# Allegro board reComputer Industrial J201_V1.2.brd (continued)
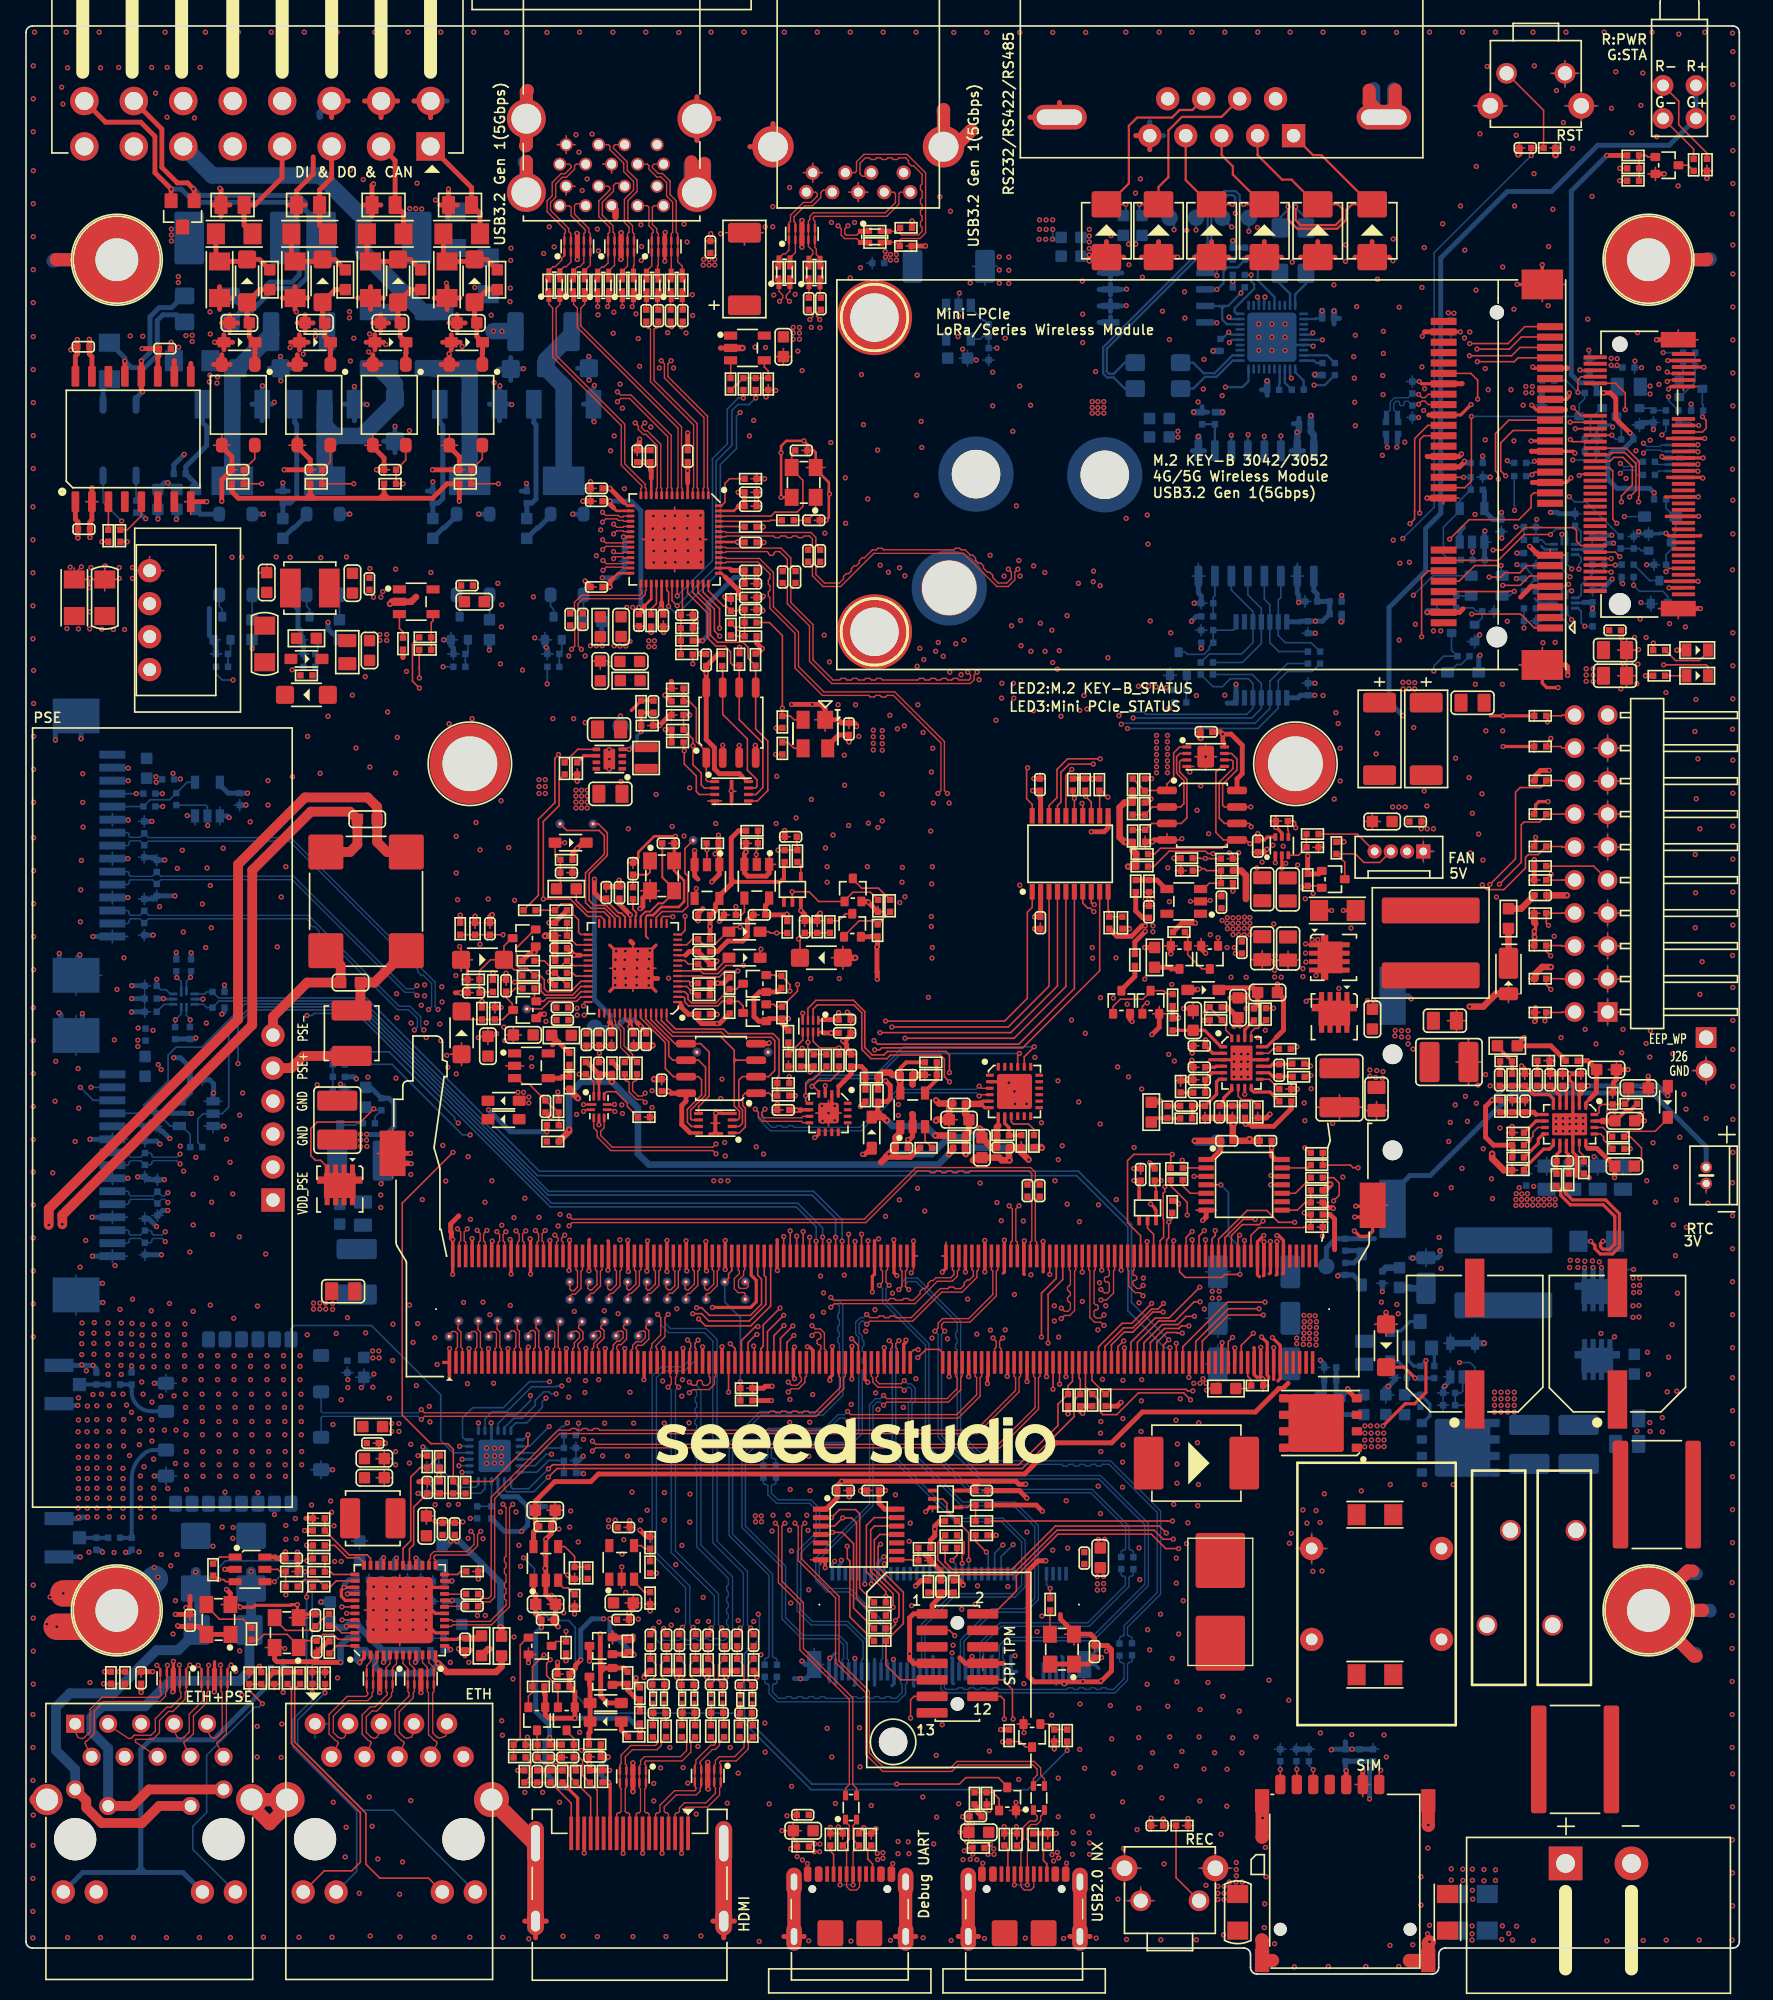
[diagram p0: board, top side]
## Routing (per net, layer and track width the routed paths; a pad name or vN(x,y) marks a point on that pad's centre or on a via; arc(x,y) is an arc through that point) (continued)
  vias: v1(2.06,61.69) v1(2.29,70.28) v1(2.24,67.2) v1(3.41,108.33) v1(3.79,64.1) v1(4.02,69.72) v1(4.07,66.67) v1(4.04,44.37) v1(4.04,42.67) v1(4.02,41.75) v1(4.04,40.63) v1(4.04,39.77) v1(4.04,38.93) v1(4.04,38.15) v1(4.04,37.38) v1(4.04,36.62) v1(4.02,35.89) v1(4.04,35.17) v1(4.19,81.02) v1(4.17,54.43) v1(4.27,85.75) v1(4.22,83.48) v1(4.3,49.32) v1(4.3,48.53) v1(4.3,47.7) v1(4.3,46.91) v1(4.37,92.43) v1(4.37,90.22) v1(4.4,88.31) v1(4.32,50.13) v1(4.6,56.48) v1(4.65,46.45) v1(4.7,41.75) v1(4.73,43.73) v1(4.73,42.67) v1(4.73,40.63) v1(4.73,39.77) v1(4.73,38.93) v1(4.73,38.15) v1(4.73,37.38) v1(4.73,36.62) v1(4.73,35.86) v1(4.86,32.48) v1(5.01,108.3) v1(4.93,107.46) v1(4.93,22.45) v1(5.16,44.62) v1(5.26,50.16) v1(5.24,49.35) v1(5.24,48.56) v1(5.24,47.72) v1(5.46,43.76) v1(5.46,42.69) v1(5.44,41.78) v1(5.46,40.66) v1(5.46,39.8) v1(5.46,38.96) v1(5.46,38.17) v1(5.46,37.41) v1(5.46,36.65) v1(5.46,35.89) v1(5.46,35.2) v1(5.82,44.65) v1(6.1,108.43) v1(6.3,49.32) v1(6.3,48.53) v1(6.3,47.7) v1(6.3,46.86) v1(6.33,50.13) v1(6.33,46.17) v1(6.4,41.78) v1(6.43,43.76) v1(6.43,42.69) v1(6.43,40.66) v1(6.43,39.8) v1(6.43,38.96) v1(6.43,38.17) v1(6.43,37.41) v1(6.43,36.65) v1(6.43,35.89) v1(6.43,35.2) v1(6.81,71.93) v1(6.73,44.65) v1(6.79,32.46) v1(6.86,54.55) v1(7.01,75.81) v1(7.19,108.3) v1(7.19,107.46) v1(7.24,51.18) v1(7.34,50.13) v1(7.32,49.32) v1(7.32,48.53) v1(7.32,47.7) v1(7.32,46.86) v1(7.34,46.17) v1(7.47,44.65) v1(7.5,41.78) v1(7.47,38.93) v1(7.47,38.15) v1(7.47,37.38) v1(7.47,36.62) v1(7.47,35.86) v1(7.47,35.17) v1(7.55,78.25) v1(7.52,42.69) v1(7.52,40.66) v1(7.75,43.81) v1(7.98,39.92) v1(8.21,108.3) v1(8.21,107.46) v1(8.21,51.96) v1(8.17,50.1) v1(8.14,49.29) v1(8.14,48.5) v1(8.14,47.66) v1(8.13,43.25) v1(8.64,72.84) v1(8.72,32.51) v1(8.77,42.77) v1(8.77,41.83) v1(8.74,40.76) v1(8.79,37.41) v1(8.82,38.35) v1(8.82,36.65) v1(8.82,35.89) v1(8.84,35.17) v1(8.97,50.01) v1(8.94,49.19) v1(8.94,48.41) v1(8.94,47.57) v1(8.94,46.73) v1(8.92,45.59) v1(9.02,44.65) v1(9.1,39.06) v1(9.66,51.07) v1(9.71,44.04) v1(9.68,42.69) v1(9.71,41.88) v1(9.71,41.04) v1(9.78,72.66) v1(9.88,50.03) v1(9.86,49.22) v1(9.86,48.43) v1(9.86,47.59) v1(9.86,46.76) v1(9.83,39.64) v1(9.83,37.41) v1(9.86,36.65) v1(9.86,35.89) v1(9.88,35.17) v1(10.19,70.02) v1(10.29,82.19) v1(10.39,44.5) v1(10.42,69.64) v1(10.67,41.88) v1(10.9,49.22) v1(10.9,48.43) v1(10.9,47.59) v1(10.9,46.76) v1(10.93,50.03) v1(10.93,37.38) v1(11.05,51.63) v1(11.33,92.45) v1(11.41,44.52) v1(11.33,26.18) v1(11.36,24.07) v1(11.51,39.31) v1(11.51,28.75) v1(11.56,41.88) v1(11.66,85.14) v1(11.89,92.02) v1(11.89,63.75) v1(12.04,86.53) v1(12.12,80.23) v1(12.15,61.82) v1(12.25,50.06) v1(12.22,49.25) v1(12.22,48.46) v1(12.22,47.62) v1(12.22,46.78) v1(12.22,45.77) v1(12.3,44.65) v1(12.3,43.63) v1(12.32,42.54) v1(12.32,41.52) v1(12.35,40.23) v1(12.35,39.21) v1(12.37,38.32) v1(12.37,37.31) v1(12.32,28.21) v1(12.42,89.2) v1(12.63,55.6) v1(12.88,60.04) v1(12.88,57.68) v1(12.88,51.02) v1(13.08,62.89) v1(13.49,47.62) v1(13.49,46.78) v1(13.49,45.77) v1(13.59,82.39) v1(13.57,44.65) v1(13.57,43.63) v1(13.59,42.54) v1(13.59,41.52) v1(13.62,40.23) v1(13.62,39.21) v1(13.64,38.32) v1(13.85,79.04) v1(13.9,73.22) v1(13.95,85.16) v1(14.2,83.81) v1(14.2,51.51) v1(14.28,80.56) v1(14.3,59.43) v1(14.38,56.94) v1(14.66,61.29) v1(14.76,47.62) v1(14.76,46.78) v1(14.76,45.77) v1(14.84,44.65) v1(14.84,43.63) v1(14.86,42.54) v1(14.86,41.52) v1(14.89,40.23) v1(14.89,39.21) v1(14.91,38.32) v1(15.19,86.69) v1(15.45,64.28) v1(15.73,62.5) v1(15.88,109.09) v1(15.93,60.07) v1(16.01,50.49) v1(16.03,47.62) v1(16.03,46.78) v1(16.03,45.77) v1(16.11,44.65) v1(16.11,43.63) v1(16.13,42.54) v1(16.13,41.52) v1(16.16,40.23) v1(16.16,39.21) v1(16.18,38.32) v1(16.16,23.31) v1(16.46,66.14) v1(16.44,56.76) v1(16.46,24.89) v1(16.62,109.09) v1(16.69,67.84) v1(16.64,21.48) v1(17.28,88.72) v1(17.3,47.62) v1(17.3,46.78) v1(17.3,45.77) v1(17.38,44.65) v1(17.38,43.63) v1(17.4,42.54) v1(17.4,41.52) v1(17.43,40.23) v1(17.43,39.21) v1(17.45,38.32) v1(17.81,19.07) v1(17.81,16.71) v1(17.83,51.43) v1(18.47,55.44) v1(18.57,47.62) v1(18.57,46.78) v1(18.57,45.77) v1(18.65,91.89) v1(18.65,90.01) v1(18.65,44.65) v1(18.65,43.63) v1(18.67,42.54) v1(18.67,41.52) v1(18.7,40.23) v1(18.7,39.21) v1(18.72,38.32) v1(19.28,109.11) v1(19.36,79.09) v1(19.66,82.93) v1(19.71,19.25) v1(19.66,16.68) v1(19.82,21.69) v1(19.84,47.62) v1(19.84,46.78) v1(19.84,45.77) v1(19.92,44.65) v1(19.92,43.63) v1(19.94,42.54) v1(19.94,41.52) v1(19.97,40.23) v1(19.97,39.21) v1(19.99,38.32) v1(19.94,25.06) v1(20.02,85.26) v1(20.02,34.54) v1(20.02,33.47) v1(20.35,109.09) v1(20.53,92.2) v1(20.76,35.07) v1(20.83,33.52) v1(21.11,47.62) v1(21.11,46.78) v1(21.11,45.77) v1(21.19,44.65) v1(21.19,43.63) v1(21.21,42.54) v1(21.21,41.52) v1(21.24,40.23) v1(21.24,39.21) v1(21.67,49.22) v1(22,36.11) v1(22.43,68.47) v1(22.71,109.06) v1(22.66,92.45) v1(23.47,36.42) v1(23.55,35.55) v1(23.65,42.31) v1(23.68,13.23) v1(23.73,34.51) v1(23.91,49.32) v1(24.01,22.8) v1(24.29,44.22) v1(24.59,9.01) v1(24.69,109.11) v1(24.67,11.3) v1(24.77,50.54) v1(24.79,45.77) v1(24.79,45.16) v1(25.43,94.41) v1(25.68,6.22) v1(25.84,45.16) v1(26.17,49.37) v1(26.34,69.06) v1(26.5,108.22) v1(26.5,92.93) v1(26.45,13.63) v1(26.67,11.37) v1(26.8,46.2) v1(26.72,45.18) v1(26.79,29.82) v1(26.76,28.91) v1(26.76,28.02) v1(26.76,26.52) v1(27.11,8.86) v1(27.33,59.99) v1(27.33,59.02) v1(27.81,29.82) v1(27.78,28.91) v1(27.78,28.02) v1(27.78,27.26) v1(27.78,26.52) v1(27.87,97.18) v1(27.99,44.34) v1(28.27,50.03) v1(28.25,47.24) v1(28.48,108.17) v1(28.48,92.48) v1(28.5,68.98) v1(28.48,40.23) v1(28.48,39.21) v1(28.6,95.22) v1(28.55,75.48) v1(28.58,73.63) v1(28.8,28.91) v1(28.8,27.26) v1(28.8,26.52) v1(28.78,6.14) v1(28.82,29.82) v1(29.01,8.63) v1(29.54,51.51) v1(29.54,39.34) v1(29.67,73.22) v1(29.67,64.69) v1(29.65,61.56) v1(29.65,40.79) v1(29.65,13.36) v1(29.81,28.91) v1(29.81,28.02) v1(29.81,27.26) v1(29.81,26.52) v1(29.82,48.64) v1(29.84,29.82) v1(30.08,45.31) v1(30.18,50.08) v1(30.46,74.59) v1(30.53,59.63) v1(30.71,76.17) v1(30.71,75.33) v1(30.84,73.25) v1(30.84,72.11) v1(30.83,28.91) v1(30.83,27.26) v1(31.07,43.71) v1(31.2,107.92) v1(31.12,42.51) v1(31.5,48.99) v1(31.53,36.14) v1(31.53,34.87) v1(31.68,46.93) v1(31.88,73.15) v1(31.96,71.88) v1(32.03,76.02) v1(32.06,74.85) v1(32.11,63.8) v1(32.41,70.73) v1(32.34,61.06) v1(32.49,69.82) v1(32.59,96.26) v1(32.57,36.14) v1(32.57,34.84) v1(32.69,24) v1(33.15,87.6) v1(33.15,84.78) v1(33.13,76.88) v1(33.15,69.31) v1(33.25,82.72) v1(33.3,36.16) v1(33.4,79.12) v1(33.71,51.71) v1(33.66,34.82) v1(34.01,45.46) v1(34.07,62.94) v1(34.07,33.55) v1(34.12,24) v1(34.24,58.11) v1(34.37,96.67) v1(34.67,88.67) v1(34.85,72.11) v1(34.98,86.56) v1(35.21,51.73) v1(35.21,33.52) v1(35.36,59.43) v1(35.49,40.51) v1(35.49,39.9) v1(35.49,39.31) v1(35.61,82.77) v1(35.74,50.77) v1(35.89,61.08) v1(36.02,45.49) v1(36.11,39.89) v1(36.1,39.34) v1(36.25,72.41) v1(36.35,107.08) v1(36.55,100.88) v1(36.61,90.34) v1(36.55,35.58) v1(36.66,105.43) v1(36.63,103.73) v1(36.66,57.65) v1(36.63,40.48) v1(36.63,39.87) v1(36.63,39.34) v1(36.66,19.5) v1(36.71,18.38) v1(36.81,72.92) v1(36.88,71.88) v1(37.19,86.74) v1(37.32,51.48) v1(37.37,132.89) v1(37.34,131.95) v1(37.6,58.24) v1(37.6,25.95) v1(37.52,22.73) v1(37.75,35.58) v1(37.98,33.01) v1(38.1,31.39) v1(38.08,29.2) v1(38.08,27.43) v1(38.26,100.4) v1(38.43,59.74) v1(38.43,13.99) v1(38.64,18.23) v1(38.94,70.56) v1(38.97,69.87) v1(39.09,106.04) v1(39.2,102.89) v1(39.53,58.26) v1(39.81,13.99) v1(39.88,132.48) v1(39.96,32.35) v1(39.98,31.24) v1(40.06,73.35) v1(40.31,134.54) v1(40.49,29.15) v1(40.59,96.67) v1(40.69,132.99) v1(41,57.6) v1(41.05,34.26) v1(41.1,13.23) v1(41.15,58.49) v1(41.43,27.81) v1(41.81,101.49) v1(41.81,45.74) v1(41.81,44.42) v1(41.89,34.41) v1(41.96,35.66) v1(42.19,96.67) v1(42.24,51.02) v1(42.37,141.63) v1(42.42,66.19) v1(42.6,140.28) v1(42.55,33.27) v1(42.65,18.61) v1(42.8,17.22) v1(42.85,137.33) v1(42.96,41.17) v1(43.08,101.49) v1(43.08,96.36) v1(43.11,45.69) v1(43.06,44.78) v1(43.23,138.22) v1(43.62,141.68) v1(43.64,71.52) v1(43.95,109.21) v1(44.02,134.36) v1(44.1,132.68) v1(44.07,127.76) v1(44.17,70.91) v1(44.12,45.77) v1(44.28,111.2) v1(44.43,39.9) v1(44.61,71.5) v1(44.56,51.07) v1(44.58,42.41) v1(44.99,100.86) v1(44.94,94.28) v1(44.94,93.55) v1(44.94,92.78) v1(45.04,117.29) v1(45.29,127.96) v1(45.24,126.33) v1(45.32,118.44) v1(45.32,102.28) v1(45.37,77.39) v1(45.39,76.69) v1(45.39,76.14) v1(45.47,78.76) v1(45.42,78.1) v1(45.62,50.85) v1(45.77,122.42) v1(45.75,102.26) v1(45.75,56.54) v1(45.85,91.82) v1(45.9,66.92) v1(45.9,31.34) v1(45.95,120.57) v1(45.95,66.26) v1(45.93,32.33) v1(46.1,114.37) v1(46.08,77.39) v1(46.05,33.45) v1(46.21,102.26) v1(46.18,78.76) v1(46.13,78.1) v1(46.19,76.67) v1(46.21,76.14) v1(46.21,29.38) v1(46.41,88.18) v1(46.33,39.87) v1(46.54,102.61) v1(46.54,44.8) v1(46.69,37.1) v1(46.82,42.41) v1(46.99,127.83) v1(47.1,78.1) v1(47.07,77.44) v1(47.04,76.78) v1(47.04,76.14) v1(47.17,125.93) v1(47.15,78.76) v1(47.17,27.33) v1(47.27,123.79) v1(47.37,134.69) v1(47.4,131.95) v1(47.35,34.95) v1(47.43,133.01) v1(47.86,35.71) v1(48.01,78.15) v1(47.96,77.41) v1(47.98,76.68) v1(47.98,76.12) v1(48.06,78.81) v1(48.14,119.12) v1(48.29,111.3) v1(48.31,110.43) v1(48.24,68.02) v1(48.24,66.72) v1(48.34,112.26) v1(48.37,109.57) v1(48.37,108.68) v1(48.37,14.68) v1(48.37,13.33) v1(48.54,90.83) v1(48.8,123.67) v1(48.77,27.1) v1(48.9,15.87) v1(49.05,45.66) v1(49.18,111.3) v1(49.2,110.43) v1(49.18,42.41) v1(49.19,37.07) v1(49.18,34.94) v1(49.23,112.26) v1(49.25,109.57) v1(49.25,108.68) v1(49.43,126.39) v1(49.51,76.68) v1(49.61,17.44) v1(49.71,26.87) v1(49.79,88.36) v1(49.89,123.67) v1(50,112.29) v1(49.95,111.33) v1(50.02,109.6) v1(50.02,108.71) v1(50.06,31.52) v1(50.14,51.23) v1(50.17,28.01) v1(50.58,45.77) v1(50.52,44.5) v1(50.54,33) v1(50.7,134.74) v1(50.63,15.9) v1(50.85,126.36) v1(50.93,133.37) v1(50.98,112.29) v1(50.93,111.32) v1(50.96,110.46) v1(51.01,109.6) v1(51.01,108.71) v1(50.98,14.7) v1(51.08,42.44) v1(51.13,91.33) v1(51.16,36.95) v1(51.14,34.8) v1(51.34,129.31) v1(51.36,127.71) v1(51.64,12.31) v1(51.74,27.15) v1(51.77,17.52) v1(51.97,112.31) v1(51.92,111.35) v1(51.95,110.48) v1(52,109.62) v1(52,108.73) v1(52.18,29) v1(52.58,27.15) v1(52.76,134.01) v1(53.09,86.25) v1(53.14,88.59) v1(53.52,134.01) v1(53.52,67.41) v1(53.62,68.91) v1(53.83,64.03) v1(53.88,62.99) v1(54.03,13.15) v1(54.26,17.44) v1(54.33,91.1) v1(54.87,27.22) v1(54.87,15.46) v1(55.73,118.44) v1(55.73,66.92) v1(56.06,119.63) v1(56.06,27.15) v1(56.16,125.27) v1(56.26,63.7) v1(56.62,24.58) v1(56.82,63.14) v1(56.95,134.54) v1(56.98,125.24) v1(56.93,19.32) v1(56.95,17.09) v1(57.03,121.43) v1(57.26,13.1) v1(57.48,34.11) v1(57.53,136.09) v1(57.53,134.54) v1(57.61,129.28) v1(57.56,35.33) v1(57.76,121.94) v1(57.79,88.59) v1(57.84,92.22) v1(58.17,117.14) v1(58.25,11.04) v1(58.63,12.19) v1(58.73,35.35) v1(58.83,137.56) v1(58.86,44.24) v1(58.84,42.48) v1(58.86,39.9) v1(58.88,37.31) v1(58.83,34.18) v1(58.92,28.56) v1(58.91,9.65) v1(58.98,32.56) v1(58.98,14.45) v1(59.11,10.36) v1(59.26,129.33) v1(59.41,9.04) v1(59.47,124.96) v1(59.67,22.74) v1(59.8,123.46) v1(59.82,8.78) v1(60.15,35.33) v1(60.2,8.5) v1(60.3,39.87) v1(60.25,34.16) v1(60.3,29.59) v1(60.38,42.49) v1(60.41,37.23) v1(60.51,126.79) v1(60.46,76.65) v1(60.58,50.64) v1(60.61,44.62) v1(61.17,126.77) v1(61.22,53.74) v1(61.32,66.85) v1(61.37,65.68) v1(61.5,103.09) v1(61.45,52.45) v1(61.45,50.95) v1(61.55,110.94) v1(61.73,85.26) v1(61.73,84.07) v1(61.73,18.92) v1(61.9,113.96) v1(61.9,101.04) v1(62.01,117.93) v1(61.93,24.33) v1(62.06,134.87) v1(62.08,16.71) v1(62.31,65.73) v1(62.36,13.13) v1(62.56,97.73) v1(62.67,76.65) v1(63.05,93.85) v1(63.07,91.54) v1(63.05,53.82) v1(63.12,115.21) v1(63.15,111.7) v1(63.38,88.44) v1(63.5,130.6) v1(63.58,43.86) v1(63.76,42.26) v1(63.83,134.87) v1(63.91,97.73) v1(63.86,24.3) v1(64.16,95.3) v1(64.22,18.97) v1(64.29,131.39) v1(64.27,15.95) v1(64.37,123.16) v1(64.52,119.3) v1(64.69,49.5) v1(64.85,113.58) v1(64.9,88.62) v1(64.82,85.26) v1(65.13,12.97) v1(65.41,51.15) v1(65.46,44.75) v1(65.61,117.34) v1(65.69,56.61) v1(65.65,43.47) v1(65.82,108.48) v1(65.97,90.85) v1(66.22,58.34) v1(66.76,52.42) v1(66.78,8.5) v1(66.83,24.23) v1(66.98,36.9) v1(67.21,66.95) v1(67.21,66.11) v1(67.19,10.21) v1(67.19,9.27) v1(67.3,108.28) v1(67.29,59.61) v1(67.49,84.07) v1(67.52,85.21) v1(67.59,43.63) v1(67.71,107.67) v1(67.97,10.18) v1(68.05,33.32) v1(68.03,9.27) v1(68.2,54) v1(68.13,34.72) v1(68.23,28.37) v1(68.61,113.86) v1(68.56,45.84) v1(68.66,123.11) v1(68.69,60.5) v1(68.86,102.08) v1(68.89,18.99) v1(68.96,119.55) v1(69.02,117.55) v1(69.09,13.63) v1(69.24,58.75) v1(69.7,88.01) v1(69.75,92.55) v1(69.78,83.94) v1(69.75,81.43) v1(69.75,80.67) v1(69.8,78.23) v1(69.8,48.97) v1(69.85,94.38) v1(69.9,90.16) v1(69.83,85.26) v1(69.83,79.04) v1(69.93,10.02) v1(70.13,16.84) v1(70.16,12.08) v1(70.29,102.53) v1(70.41,136.85) v1(70.59,19.2) v1(71,48.92) v1(71.12,90.16) v1(71.23,135.73) v1(71.35,24.73) v1(71.43,25.32) v1(71.81,126.08) v1(71.91,129.43) v1(71.86,127.66) v1(71.86,13.11) v1(72.04,100.05) v1(72.09,28.09) v1(72.17,125.12) v1(72.19,8.81) v1(72.27,102.71) v1(72.29,9.49) v1(72.44,11.58) v1(72.47,10.18) v1(72.55,51.96) v1(72.75,130.22) v1(72.75,8.83) v1(72.88,24.46) v1(72.93,11.58) v1(72.93,10.21) v1(73.21,124.28) v1(73.13,28.47) v1(73.26,49.27) v1(73.31,29.89) v1(73.26,8.81) v1(73.44,99.66) v1(73.51,60.9) v1(73.71,8.53) v1(74.3,49.58) v1(74.22,17.17) v1(74.48,123.34) v1(74.48,120.75) v1(74.81,59.41) v1(74.98,132.23) v1(74.98,131.21) v1(74.98,130.2) v1(75.14,58.01) v1(75.35,107.64) v1(75.44,125.95) v1(75.44,49.6) v1(75.65,29.84) v1(75.72,132.2) v1(75.72,131.19) v1(75.72,130.17) v1(75.72,68.63) v1(76.03,118.79) v1(76.2,67) v1(76.15,52.32) v1(76.31,113.05) v1(76.49,108.84) v1(76.48,14.98) v1(76.56,122.27) v1(76.6,107.64) v1(76.84,57.98) v1(76.88,22.36) v1(76.89,18.59) v1(77.09,67) v1(77.12,34.03) v1(77.4,120.8) v1(77.42,53.84) v1(77.91,26.36) v1(78.15,104.01) v1(78.24,65.55) v1(78.27,27.57) v1(78.49,107.92) v1(79.1,32.63) v1(79.02,19.93) v1(79.23,51.46) v1(79.23,50.29) v1(79.51,68.78) v1(79.53,62.71) v1(79.53,15.08) v1(79.53,12.11) v1(79.84,63.77) v1(79.99,22.35) v1(80.14,36.44) v1(80.17,8.53) v1(80.22,104.59) v1(80.22,59.28) v1(80.26,32.8) v1(80.55,73.45) v1(80.67,10.92) v1(80.7,10.05) v1(80.62,9.22) v1(81.08,107.08) v1(81.11,67.15) v1(81.16,57.93) v1(81.21,20.8) v1(81.18,17.29) v1(81.39,51.79) v1(81.41,22.52) v1(81.61,72.44) v1(81.56,15.84) v1(81.92,10.87) v1(81.94,10.1) v1(81.94,9.22) v1(82.15,79.04) v1(82.17,78.23) v1(82.17,12.14) v1(82.58,49.6) v1(82.6,37.56) v1(82.63,59.23) v1(82.71,53.23) v1(82.62,33.47) v1(82.78,75.18) v1(82.76,65.45) v1(82.81,42.54) v1(82.78,41.65) v1(82.81,40.23) v1(82.78,35.45) v1(82.81,22.58) v1(82.93,45.79) v1(83.11,33.47) v1(83.19,51.46) v1(83.24,24.86) v1(83.54,20.67) v1(83.65,18.11) v1(83.77,75.15) v1(83.8,15.46) v1(83.98,78.25) v1(84,59.63) v1(84.1,69.84) v1(84.13,5.76) v1(84.51,45.71) v1(84.51,42.77) v1(84.51,40.74) v1(84.48,39.42) v1(84.48,37.49) v1(84.48,13.25) v1(84.56,9.67) v1(84.76,112.09) v1(84.94,69.08) v1(85.37,63.65) v1(85.6,11.12) v1(85.75,51.68) v1(85.75,32.81) v1(85.81,30.37) v1(85.73,20.47) v1(85.73,18.21) v1(85.91,41.78) v1(85.86,15.9) v1(85.96,68.14) v1(85.96,45.77) v1(85.93,44.14) v1(86.08,53.59) v1(86.19,76.6) v1(86.24,82.77) v1(86.39,112.34) v1(86.41,26.51) v1(86.38,22.31) v1(86.44,110.1) v1(86.57,24.96) v1(86.8,82.77) v1(86.8,17.04) v1(87.08,99.11) v1(87.41,27.71) v1(87.51,13.56) v1(87.68,8.48) v1(87.96,85.19) v1(87.96,20.62) v1(88.09,82.57) v1(88.12,18.26) v1(88.19,103.27) v1(88.27,76.19) v1(88.32,24.3) v1(88.42,36.16) v1(88.6,42.64) v1(88.7,40.81) v1(88.68,39.26) v1(88.68,37.79) v1(88.62,32.02) v1(88.62,30.09) v1(88.68,22.5) v1(88.62,16.02) v1(88.8,26.18) v1(88.93,44.29) v1(89.06,87.42) v1(89.06,17.14) v1(89.16,28.75) v1(89.41,33.14) v1(89.51,34.74) v1(89.67,92.55) v1(89.72,82.6) v1(89.97,45.49) v1(90.17,98.45) v1(90.22,89.61) v1(90.25,40.91) v1(90.28,36.06) v1(90.35,42.44) v1(90.33,37.69) v1(90.38,18.26) v1(90.5,91.49) v1(90.45,45.49) v1(90.45,20.37) v1(90.43,13.33) v1(90.68,45.84) v1(90.78,51.2) v1(90.76,15.79) v1(90.91,45.49) v1(90.91,6.83) v1(91.06,22.45) v1(91.24,82.67) v1(91.24,80.03) v1(91.39,52.57) v1(91.39,52.04) v1(91.57,17.04) v1(91.82,6.75) v1(91.82,6.22) v1(91.82,5.74) v1(91.93,52.57) v1(91.93,52.04) v1(92.08,10.76) v1(92.21,21.38) v1(92.31,6.75) v1(92.31,6.22) v1(92.31,5.74) v1(92.36,98.47) v1(92.51,12.92) v1(92.54,79.04) v1(92.54,15.77) v1(92.71,86.33) v1(92.71,7.08) v1(92.84,76.75) v1(92.97,18.18) v1(93.09,79.04) v1(93.07,70.86) v1(93.07,70.25) v1(93.04,69.67) v1(93.07,69.08) v1(93.17,78.58) v1(93.25,8.58) v1(93.25,8.05) v1(93.25,7.56) v1(93.22,7.08) v1(93.43,86.33) v1(93.48,20.24) v1(93.6,69.67) v1(93.63,70.84) v1(93.63,70.25) v1(93.63,69.08) v1(93.68,17.04) v1(93.7,7.08) v1(94.01,76.75) v1(94.11,69.67) v1(94.14,70.84) v1(94.14,70.25) v1(94.14,69.08) v1(94.77,18.26) v1(94.82,85.16) v1(95.76,22.63) v1(96.07,86.91) v1(96.19,77.87) v1(96.19,77.29) v1(96.19,76.78) v1(96.22,78.43) v1(96.7,76.75) v1(96.85,86.84) v1(97.06,85.52) v1(97.29,21.08) v1(97.34,33.17) v1(97.49,33.93) v1(97.97,85.39) v1(98.38,77.41) v1(98.38,76.8) v1(98.38,35.73) v1(98.48,67.08) v1(98.58,79.32) v1(98.58,78.61) v1(98.61,77.92) v1(98.53,65.7) v1(98.68,34.72) v1(99.01,68.17) v1(99.09,79.65) v1(99.14,31.01) v1(99.39,35.68) v1(99.52,79.65) v1(99.7,34.77) v1(99.72,18.56) v1(99.88,56.81) v1(99.85,31.03) v1(100.03,36.98) v1(100.66,65.5) v1(100.79,90.47) v1(100.92,97.12) v1(101.1,96.29) v1(101.25,94.38) v1(101.25,91.87) v1(102.14,18.44) v1(102.87,37.21) v1(103.36,74.95) v1(104.02,93.95) v1(104.12,95.55) v1(104.5,116.94) v1(104.42,51.73) v1(104.58,126.49) v1(104.58,124.79) v1(104.52,123.08) v1(104.55,121.61) v1(104.63,18.41) v1(104.8,16.71) v1(105.11,37.69) v1(105.34,110.41) v1(105.62,51.56) v1(105.79,128.34) v1(105.79,102.71) v1(105.72,50.85) v1(106.23,117.95) v1(106.91,95.98) v1(107.04,103.93) v1(107.5,88.18) v1(107.55,129.87) v1(107.57,126.11) v1(107.55,123.74) v1(107.67,120.39) v1(107.73,132.94) v1(107.75,122.07) v1(107.73,91.1) v1(107.75,37.69) v1(107.93,89.94) v1(107.95,88.18) v1(108.44,88.18) v1(108.87,56.71) v1(109.02,54.33) v1(109.15,134.77) v1(109.6,64.1) v1(109.73,65.58) v1(109.81,60.55) v1(109.81,8.1) v1(109.81,7.23) v1(109.96,37.69) v1(110.11,66.92) v1(110.14,93.62) v1(110.52,136.14) v1(110.63,62.03) v1(110.7,8.07) v1(110.7,7.21) v1(110.85,132.74) v1(110.82,125.98) v1(110.9,67.58) v1(111.05,65.65) v1(111.18,92.12) v1(111.23,126.44) v1(111.28,86.33) v1(111.43,89.38) v1(111.43,8.07) v1(111.43,7.21) v1(111.43,6.45) v1(111.46,5.76) v1(111.71,129.66) v1(111.64,112.39) v1(111.66,99.31) v1(111.74,139.19) v1(111.74,67.05) v1(111.92,87.78) v1(111.87,68.45) v1(112.02,141.7) v1(112.17,90.88) v1(112.25,85.77) v1(112.27,63.55) v1(112.32,8.05) v1(112.32,7.18) v1(112.42,123.62) v1(112.42,118.13) v1(112.48,95.73) v1(112.45,69.26) v1(112.58,146.88) v1(112.65,121.99) v1(112.81,68.4) v1(112.91,61.23) v1(112.98,59.71) v1(113.21,8.02) v1(113.21,7.21) v1(113.29,82.93) v1(113.57,65.15) v1(113.77,131.44) v1(113.75,99.31) v1(113.77,95.73) v1(114.13,104.16) v1(114.41,121.99) v1(114.68,136.14) v1(114.63,128.19) v1(114.63,118.05) v1(114.81,141.58) v1(115.35,120.8) v1(116.21,146.93) v1(116.18,138.63) v1(116.39,112.01) v1(116.87,102.51) v1(117.3,133.01) v1(117.28,128.47) v1(117.63,135.88) v1(117.81,102.53) v1(117.91,145.03) v1(117.89,65.88) v1(117.88,65.43) v1(117.88,64.89) v1(118.27,72.11) v1(118.44,142.57) v1(118.42,65.88) v1(118.42,65.43) v1(118.42,64.89) v1(118.93,65.88) v1(118.98,54.96) v1(118.93,54.4) v1(119.16,140.56) v1(119.43,65.91) v1(119.43,65.46) v1(119.43,64.92) v1(119.54,54.94) v1(119.56,54.4) v1(119.97,65.91) v1(119.97,65.46) v1(119.97,64.92) v1(120.1,54.88) v1(120.12,72.74) v1(120.32,127.43) v1(120.65,136.88) v1(120.68,54.91) v1(120.81,62.94) v1(120.96,71.62) v1(121.21,54.83) v1(122.15,143.66) v1(122.48,146.48) v1(122.91,102.86) v1(122.86,98.95) v1(123.02,100.91) v1(122.94,70.94) v1(123.04,72.74) v1(123.27,115.16) v1(123.73,141.78) v1(123.8,53.59) v1(123.8,51.46) v1(123.8,50.57) v1(123.85,53) v1(123.85,52.47) v1(123.96,124.2) v1(123.93,102.92) v1(124.03,117.29) v1(124.11,99.36) v1(124.11,41.8) v1(124.16,126.39) v1(124.18,100.86) v1(124.24,111.07) v1(124.24,101.98) v1(124.31,53.59) v1(124.31,53.03) v1(124.31,52.5) v1(124.26,51.48) v1(124.26,50.59) v1(124.41,143.89) v1(124.41,105.61) v1(124.36,104.34) v1(124.46,123.69) v1(124.57,146.38) v1(124.82,102.92) v1(124.82,71.65) v1(124.87,61.08) v1(124.92,47.87) v1(125,46.17) v1(125.1,70.61) v1(125.1,42.46) v1(125.12,122.27) v1(125.12,121.66) v1(125.12,118.1) v1(125.15,72.64) v1(125.12,41.78) v1(125.35,64) v1(125.53,59.43) v1(125.63,141.47) v1(125.78,123.64) v1(125.81,122.4) v1(126.06,42.84) v1(126.06,41.75) v1(126.34,98.67) v1(126.45,44.83) v1(126.55,47.49) v1(126.88,70.86) v1(126.83,50.01) v1(126.93,57.68) v1(127.11,62.15) v1(127.08,55.32) v1(127.16,59.61) v1(127.18,44.88) v1(127.28,137.69) v1(127.23,52.42) v1(127.41,64.43) v1(127.74,67.74) v1(127.89,66.59) v1(127.92,57.5) v1(128.58,95.68) v1(128.6,86.2) v1(128.6,80.56) v1(128.65,98.14) v1(128.68,90.5) v1(128.63,83.26) v1(128.81,93.57) v1(128.96,88.18) v1(128.96,75.43) v1(129.14,77.95) v1(129.44,65.88) v1(129.57,59.35)
